# Altium PCB foxbms2-master.PcbDoc (part 9 of 11)
Units mm, origin at the board's own origin, x right, y up, seen from the top; angles counter-clockwise.
Board outline 200.02 x 144.34 mm, 8 copper layers (Top, Int1 (Sig), Int2 (Gnd), Int3 (Sig), Int4 (Sig), Int5 (Pwr), Int6 (Sig), Bottom), stack 1.636 mm thick; 806 components, 624 nets, 2842 pads, 2610 vias.
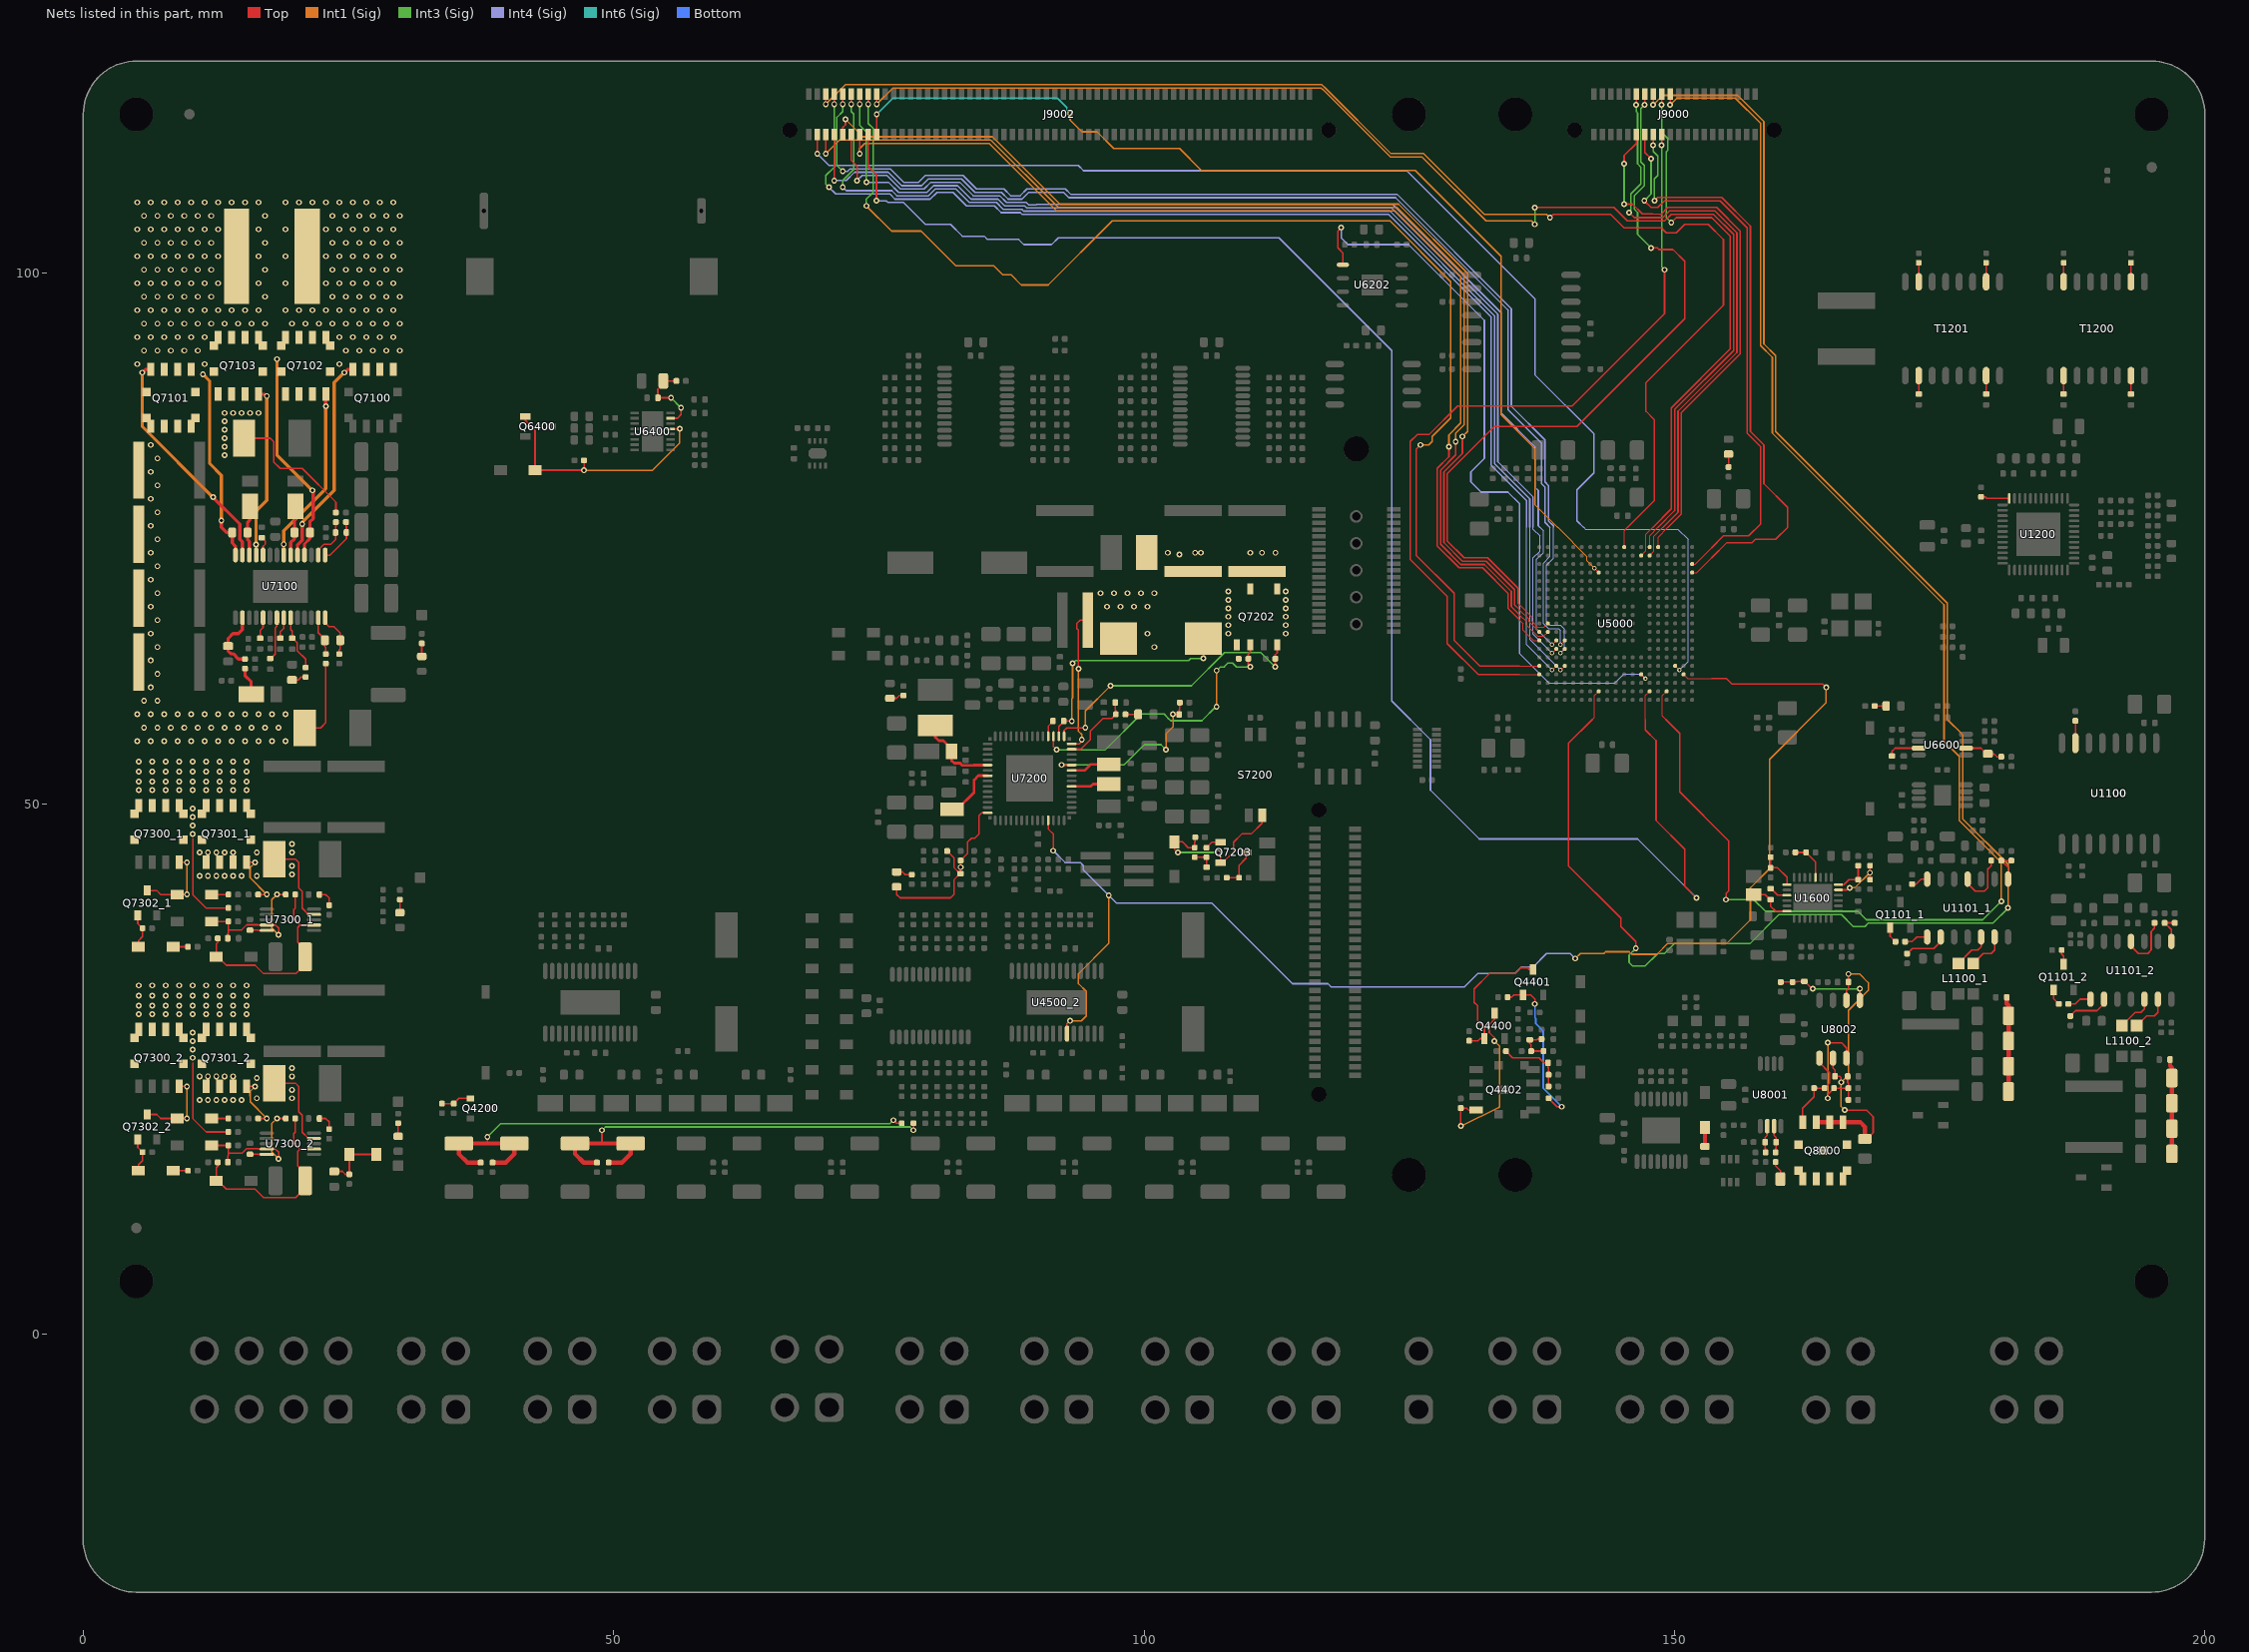
[diagram p15: the nets of this part, all layers, seen from the top]

## Via types
v1: diameter 0.55, hole 0.3, Top to Bottom, 1560 vias
v2: diameter 0.55, hole 0.3, Top to Bottom, tented both sides, 810 vias
v3: diameter 0.45, hole 0.2, Top to Bottom, tented both sides, 169 vias
v4: diameter 0.45, hole 0.2, Top to Bottom, 25 vias
v5: diameter 0.5, hole 0.2, Top to Bottom, 20 vias
v6: diameter 0.75, hole 0.5, Top to Bottom, tented both sides, 17 vias
v7: diameter 0.75, hole 0.5, Top to Bottom, 9 vias

## Nets (pads, with @x,y where several pads share a name; then routed paths per layer and width w, separated by ;. In a path a pad name is that pad's centre, name@x,y a point inside that pad or via, vN(x,y) a via of type N, cw(c..) or ccw(c..) an arc to the next point about the centre after c; other vN are vias at no path point) (continued)
MCU_SPI2.SOMI_1: U4500_2.9 U5000.D2 U7200.25 | length 132.3
  Top w0.102: U5000.D2@150.862,62.192 151.262,61.793 153.511,61.793
  Top w0.152: U7200.25@90.967,48.425 90.967,47.621 91.44,47.149 v2(91.44,45.561) ; U4500_2.9@92.732,28.324 92.732,29.232 v2(93.027,29.527) ; 153.511,61.793 154.901,61.793 155.416,61.277 163.989,61.277 v1(164.306,60.96)
  Int1 (Sig) w0.152: v2(93.027,29.527) 94.082,29.527 94.558,30.004 94.558,32.283 93.821,33.02 93.821,33.972 96.679,36.83 v1(96.679,41.353) ; v1(140.653,35.401) 141.129,35.877 143.351,35.877 143.51,36.036 145.732,36.036 145.969,35.799 148.353,35.799 149.384,36.83 154.94,36.83 157.162,39.052 157.162,42.069 158.961,43.867 158.961,54.186 164.306,59.531 v1(164.306,60.96)
  Int4 (Sig) w0.152: v2(91.44,45.561) 92.551,44.45 93.98,44.45 94.286,44.144 94.286,43.746 v1(96.679,41.353) 97.392,40.64 106.362,40.64 113.982,33.02 117.347,33.02 117.665,32.703 130.175,32.703 131.445,33.972 134.938,33.972 135.572,34.608 136.684,34.608 137.954,35.877 140.176,35.877 v1(140.653,35.401)
MCU_SPI3.\CS4_1: J9002.4 U5000.E3 | length 123.5
  Top w0.102: U5000.E3@150.063,62.993 v3(150.463,62.593)
  Top w0.152: v1(69.193,111.284) 69.2,111.291 J9002.4@69.2,113.1
  Int4 (Sig) w0.102: 141.446,76.041 141.605,75.882 150.336,75.882 151.289,74.93 151.289,63.419 v3(150.463,62.593)
  Int4 (Sig) w0.152: v1(69.193,111.284) 70.304,110.172 93.802,110.172 94.297,109.677 124.76,109.677 136.843,97.595 136.843,90.433 142.399,84.877 142.399,81.176 140.811,79.588 140.811,76.676 141.446,76.041
MCU_SPI3.\CS5_1: J9002.5 U5000.W9 | length 126.8
  Top w0.102: U5000.W9@145.263,74.192 145.263,75.73 145.574,76.041
  Top w0.152: v1(70,115.947) J9002.5@70,116.9 ; v1(138.271,105.251) 138.589,105.569 143.986,105.569 145.256,104.299 148.749,104.299 149.225,103.822 150.177,103.822 150.971,104.616 153.194,104.616 154.623,103.188 154.623,96.996 147.32,89.694 147.32,86.995 148.114,86.201 148.114,78.581 145.574,76.041
  Int1 (Sig) w0.152: v1(70,115.947) 71.845,117.792 116.749,117.792 116.959,117.583 cw(c116.681,117.157) 117.041,117.516 123.273,111.284 126.365,111.284 132.08,105.569 137.954,105.569 v1(138.271,105.251)
MCU_SPI3.\sCS6_1: U5000.D7 U6202.1 | length 70.9
  Top w0.102: U5000.D7@146.863,62.192 v3(147.262,61.793)
  Top w0.152: v1(118.586,104.299) 118.269,103.981 118.269,102.394 118.745,101.917 U6202.1@118.745,100.806
  Int4 (Sig) w0.102: 135.414,64.135 138.179,61.37 144.396,61.37 145.241,62.215 146.84,62.215 v3(147.262,61.793)
  Int4 (Sig) w0.152: v1(118.586,104.299) 118.586,103.346 119.221,102.711 124.936,102.711 132.08,95.567 132.08,82.55 130.81,81.28 130.81,80.328 131.762,79.375 134.302,79.375 135.414,78.264 135.414,64.135
MCU_SPI4.\CS0_1: J9000.14 U5000.U1 | length 54.5
  Top w0.102: U5000.U1@151.663,72.592 151.964,72.592 153.511,74.14
  Top w0.152: v1(147.161,106.839) 147.796,106.204 148.431,106.204 149.066,106.839 154.305,106.839 156.845,104.299 156.845,84.931 158.115,83.661 158.115,76.359 157.004,75.248 154.619,75.248 153.511,74.14 ; J9000.14@147.2,113.1 147.2,111.404 v1(147.796,110.807)
  Int3 (Sig) w0.152: v1(147.161,106.839) 147.796,107.474 v1(147.796,110.807)
MCU_SPI4.\CS1_1: J9000.15 U5000.B12 | length 165.2
  Top w0.102: 142.256,57.944 142.463,58.15 142.463,60.193 U5000.B12@142.863,60.593
  Top w0.152: 142.256,57.944 140.017,55.705 140.017,44.133 144.939,39.211 144.939,38.417 146.368,36.989 v1(146.368,36.354) ; v1(148,115.887) J9000.15@148,116.9
  Int3 (Sig) w0.152: v1(146.368,36.354) 145.732,35.719 145.732,35.014 146.059,34.688 147.242,34.688 148.431,35.877 149.076,35.877 150.028,36.83 157.153,36.83 159.852,39.529 165.735,39.529 166.846,38.417 167.957,38.417 168.275,38.735 180.022,38.735 v1(181.451,40.164)
  Int1 (Sig) w0.152: v1(148,115.887) 148.889,116.776 155.956,116.776 158.433,114.3 158.433,93.345 159.544,92.234 159.544,85.09 175.736,68.897 175.736,57.944 177.165,56.515 177.165,48.578 181.451,44.291 v1(181.451,40.164)
MCU_SPI4.\CS2_1: J9000.16 U5000.T1 | length 57.5
  Top w0.102: U5000.T1@151.663,71.792 152.12,71.792 153.511,73.184
  Top w0.152: v1(148,112.078) J9000.16@148,113.1 ; v1(148.114,106.839) 148.431,107.156 154.464,107.156 157.162,104.457 157.162,85.09 158.433,83.82 158.433,80.169 160.655,77.946 160.655,76.041 159.544,74.93 157.639,74.93 157.321,74.612 154.94,74.612 153.511,73.184
  Int3 (Sig) w0.152: v1(148,112.078) 148,111.497 148.431,111.066 148.431,109.221 148.114,108.904 v1(148.114,106.839)
MCU_SPI4.\CS3_1: J9000.17 U5000.V7 | length 52.7
  Top w0.102: U5000.V7@146.863,73.392 147.31,73.84 147.31,75.396 147.955,76.041
  Top w0.152: 147.955,76.041 149.701,77.787 149.701,87.312 155.257,92.869 155.257,103.505 153.511,105.251 150.177,105.251 v1(149.701,104.775) ; v1(148.8,115.887) J9000.17@148.8,116.9
  Int3 (Sig) w0.152: v1(148.8,115.887) 148.8,113.296 149.384,112.712 149.384,111.601 149.225,111.442 149.225,105.251 v1(149.701,104.775)
MCU_SPI4.\CS4_1: J9000.18 U5000.D19 | length 76.3
  Top w0.102: 135.414,62.192 U5000.D19@137.263,62.192
  Top w0.152: 135.414,62.192 131.483,62.192 128.588,65.087 128.588,69.532 125.095,73.025 125.095,84.138 125.749,84.792 126.861,84.792 129.559,87.491 140.354,87.491 149.066,96.203 v1(149.066,100.33) ; v1(148.8,112.078) J9000.18@148.8,113.1
  Int3 (Sig) w0.152: v1(148.8,112.078) 148.8,100.596 v1(149.066,100.33)
MCU_SPI4.\CS5_1: J9000.19 U5000.B4 | length 143.5
  Top w0.102: 149.185,57.944 148.862,58.266 148.862,60.192 U5000.B4@149.263,60.593
  Top w0.152: 149.185,57.944 150.495,56.634 150.495,51.117 155.099,46.514 155.099,41.751 154.862,41.514 v1(154.862,40.957) ; v1(149.6,115.887) J9000.19@149.6,116.9
  Int3 (Sig) w0.152: v1(154.862,40.957) 157.48,40.957 158.591,39.846 167.313,39.846 168.107,39.052 179.07,39.052 v1(180.816,40.799)
  Int1 (Sig) w0.152: v1(149.6,115.887) 150.235,116.522 155.734,116.522 158.115,114.141 158.115,93.186 159.226,92.075 159.226,84.931 175.419,68.739 175.419,55.88 176.847,54.451 176.847,48.419 180.816,44.45 v1(180.816,40.799)
MCU_SPI4.CLK_1: J9000.13 U5000.K18 | length 73.8
  Top w0.102: 135.414,68.739 136.554,67.599 136.554,67.203 137.117,66.64 137.71,66.64 U5000.K18@138.063,66.992
  Top w0.152: 135.414,68.739 135.255,68.897 135.255,70.326 132.398,73.184 130.175,73.184 128.588,74.771 128.588,81.121 133.032,85.566 140.811,85.566 150.971,95.726 150.971,101.124 149.86,102.235 148.548,102.235 148.39,102.394 v1(147.796,102.394) ; v1(147.2,115.887) J9000.13@147.2,116.9
  Int3 (Sig) w0.152: v1(147.2,115.887) 146.844,115.531 146.844,110.49 147.161,110.172 147.161,108.267 146.209,107.315 146.209,106.045 146.526,105.727 146.526,103.664 v1(147.796,102.394)
MCU_SPI4.SIMO_1: J9000.12 U5000.W5 | length 52.6
  Top w0.102: U5000.W5@148.462,74.192 148.462,75.12 149.384,76.041
  Top w0.152: v1(145.256,106.521) 146.05,106.521 146.975,105.596 147.956,105.596 148.622,105.569 148.749,105.569 148.793,105.613 149.384,106.204 153.987,106.204 156.21,103.981 156.21,92.402 150.654,86.846 150.654,77.311 149.384,76.041 ; v1(145.256,110.331) 145.256,111.109 146.4,112.253 J9000.12@146.4,113.1
  Int3 (Sig) w0.152: v1(145.256,106.521) v1(145.256,110.331)
MCU_SPI4.SOMI_1: J9000.11 U5000.V6 | length 57.1
  Top w0.102: U5000.V6@147.663,73.392 148.063,73.792 148.063,75.196 148.907,76.041
  Top w0.152: v1(145.732,105.727) 146.209,105.251 148.907,105.251 149.542,105.886 153.829,105.886 155.892,103.822 155.892,92.551 150.336,86.995 150.336,77.47 148.907,76.041 ; v1(146.4,115.887) J9000.11@146.4,116.9
  Int3 (Sig) w0.152: v1(145.732,105.727) 145.732,105.835 145.891,105.994 145.891,107.474 146.844,108.426 146.844,110.014 146.526,110.331 146.526,115.126 146.4,115.252 v1(146.4,115.887)
MCU_SPI5.\CS0_1: J9002.15 U5000.E19 | length 120.2
  Top w0.102: 135.414,62.993 U5000.E19@137.263,62.993
  Top w0.152: v1(74,115.947) J9002.15@74,116.9 ; v1(126.047,83.82) 125.676,83.449 ccw(c128.16,83.231) 125.666,83.234 125.666,73.406 129.222,69.85 129.222,65.405 131.635,62.993 135.414,62.993
  Int3 (Sig) w0.152: v1(73.819,106.362) 73.819,106.998 74.454,107.632 74.454,113.665 74,114.119 v1(74,115.947)
  Int1 (Sig) w0.152: v1(73.819,106.362) 76.2,103.981 78.989,103.981 82.242,100.728 85.803,100.728 86.677,99.854 87.471,99.854 88.424,98.901 90.964,98.901 96.996,104.934 123.19,104.934 128.905,99.219 128.905,86.36 127.159,84.614 127.159,84.138 126.841,83.82 v1(126.047,83.82)
MCU_SPI5.\CS1_1: J9002.16 U5000.B6 | length 155.4
  Top w0.102: 147.262,57.944 147.262,60.192 U5000.B6@147.663,60.593
  Top w0.152: J9002.16@74,113.1 74,110.072 74.771,109.301 v1(74.771,106.839) ; 147.262,57.944 147.262,56.954 148.273,55.944 148.273,48.419 150.971,45.72 150.971,42.227 v1(152.082,41.116)
  Int4 (Sig) w0.152: v1(74.771,106.839) 75.698,106.839 75.857,106.68 77.311,106.68 79.375,104.616 81.756,104.616 82.867,103.505 84.931,103.505 85.249,103.188 88.184,103.188 88.661,102.711 91.281,102.711 91.916,103.346 112.712,103.346 123.349,92.71 123.349,67.797 123.349,59.69 127,56.039 127,51.276 131.604,46.672 146.526,46.672 v1(152.082,41.116)
MCU_SPI5.\CS2_1: J9002.17 U5000.W6 | length 123.6
  Top w0.102: U5000.W6@147.663,74.192 147.663,75.273 148.431,76.041
  Top w0.152: v1(74.8,115.947) J9002.17@74.8,116.9 ; v1(136.843,106.204) 144.304,106.204 145.574,104.934 149.066,104.934 149.701,105.569 153.67,105.569 155.575,103.664 155.575,92.71 150.019,87.154 150.019,77.629 148.431,76.041
  Int3 (Sig) w0.152: v1(136.843,104.616) v1(136.843,106.204)
  Int1 (Sig) w0.152: v1(74.8,115.947) 76.327,117.475 116.681,117.475 116.756,117.4 cw(c116.681,117.157) 116.861,117.337 123.232,110.966 126.206,110.966 132.239,104.934 136.525,104.934 v1(136.843,104.616)
MCU_SPI5.\CS3_1: J9002.18 U5000.T12 | length 101.7
  Top w0.102: v3(142.463,72.192) U5000.T12@142.863,71.792
  Top w0.152: J9002.18@74.8,113.1 v1(74.8,114.995)
  Int1 (Sig) w0.102: 138.999,76.041 141.766,73.274 141.766,72.889 v3(142.463,72.192)
  Int1 (Sig) w0.152: v1(93.027,115.094) 93.027,114.459 94.139,113.347 95.567,113.347 97.155,111.76 103.346,111.76 105.41,109.696 125.571,109.696 133.667,101.6 133.667,86.677 136.843,83.502 136.843,78.198 138.999,76.041
  Int6 (Sig) w0.152: v1(74.8,114.995) 76.327,116.522 91.825,116.522 92.731,115.617 92.731,115.391 v1(93.027,115.094)
MCU_SPI5.CLK_1: J9002.14 U5000.H19 | length 105.2
  Top w0.102: 135.414,67.31 135.731,66.992 135.731,66.358 136.696,65.392 U5000.H19@137.263,65.392
  Top w0.152: v1(73.193,111.284) 73.2,111.291 J9002.14@73.2,113.1 ; v1(128.746,83.661) 128.746,82.709 127.635,81.597 127.635,74.295 129.699,72.231 131.921,72.231 134.302,69.85 134.302,68.421 135.414,67.31
  Int1 (Sig) w0.152: v1(73.193,111.284) 73.193,111.769 73.66,112.236 85.407,112.236 91.758,105.886 123.666,105.886 129.857,99.695 129.857,85.884 128.746,84.772 v1(128.746,83.661)
MCU_SPI5.SIMO0_1: J9002.10 U5000.J19 | length 105.9
  Top w0.102: 135.414,68.263 136.282,67.395 136.282,67.173 U5000.J19@137.263,66.192
  Top w0.152: J9002.10@71.6,113.1 71.6,113.752 71.85,114.002 v1(71.85,114.519) ; v1(130.016,84.614) 130.016,83.026 128.27,81.28 128.27,74.612 130.016,72.866 132.239,72.866 134.938,70.168 134.938,68.739 135.414,68.263
  Int1 (Sig) w0.152: v1(71.85,114.519) 73.497,112.871 85.725,112.871 92.075,106.521 123.984,106.521 130.493,100.013 130.493,85.09 v1(130.016,84.614)
MCU_SPI5.SIMO1_1: J9002.11 U5000.E16 | length 112.9
  Top w0.102: v3(139.263,62.593) U5000.E16@139.663,62.993
  Top w0.152: v1(72.4,115.947) J9002.11@72.4,116.9
  Int3 (Sig) w0.152: v1(71.596,108.109) 71.596,108.744 72.642,109.79 72.642,111.214 cw(c73.193,111.284) 72.642,111.353 72.642,115.003 72.4,115.245 v1(72.4,115.947)
  Int4 (Sig) w0.102: 136.366,76.041 136.366,65.489 v3(139.263,62.593)
  Int4 (Sig) w0.152: v1(71.596,108.109) 71.914,107.791 76.228,107.791 76.704,107.315 79.684,107.315 80.319,107.95 82.255,107.95 83.525,106.68 86.077,106.68 86.733,106.024 88.486,106.024 88.643,105.867 123.182,105.867 133.032,96.017 133.032,82.074 136.366,78.74 136.366,76.041
MCU_SPI5.SIMO2_1: J9002.12 U5000.H17 | length 105.8
  Top w0.102: v3(138.463,64.992) U5000.H17@138.863,65.392
  Top w0.152: J9002.12@72.4,113.1 72.4,110.659 72.943,110.116 v1(72.943,108.744)
  Int4 (Sig) w0.102: 137.319,76.041 137.636,75.724 137.636,73.66 137.001,73.025 137.001,66.454 v3(138.463,64.992)
  Int4 (Sig) w0.152: v1(72.943,108.744) 73.419,109.22 75.758,109.22 77.028,107.95 79.275,107.95 79.91,108.585 82.622,108.585 83.892,107.315 86.394,107.315 87.029,106.68 88.884,106.68 89.121,106.443 89.821,106.443 89.88,106.502 123.445,106.502 133.667,96.28 133.667,86.836 136.843,83.661 136.843,79.851 137.16,79.534 137.16,76.2 137.319,76.041
MCU_SPI5.SIMO3_1: J9002.13 U5000.G17 | length 108.9
  Top w0.102: v3(138.463,64.193) U5000.G17@138.863,64.592
  Top w0.152: v1(73.2,115.947) J9002.13@73.2,116.9
  Int3 (Sig) w0.152: v1(73.2,115.947) 73.2,113.966 73.819,113.348 v1(73.819,108.585)
  Int4 (Sig) w0.102: 136.684,76.041 136.684,75.882 137.319,75.248 137.319,73.819 136.684,73.184 136.684,65.971 v3(138.463,64.193)
  Int4 (Sig) w0.152: v1(73.819,108.585) 75.91,108.585 76.863,107.632 79.525,107.632 80.16,108.267 82.414,108.267 83.684,106.998 86.236,106.998 86.871,106.362 88.741,106.362 88.919,106.184 123.314,106.184 133.35,96.148 133.35,82.242 136.684,78.908 136.684,76.041
MCU_SPI5.SOMI0_1: J9002.6 U5000.J18 | length 109
  Top w0.102: 135.414,67.786 136.049,67.151 136.049,66.834 137.076,65.807 137.677,65.807 U5000.J18@138.063,66.192
  Top w0.152: v1(69.993,111.284) 70,111.291 J9002.6@70,113.1 ; v1(129.381,84.138) 129.381,82.867 127.953,81.439 127.953,74.454 129.857,72.549 132.08,72.549 134.62,70.009 134.62,68.58 135.414,67.786
  Int1 (Sig) w0.152: v1(69.993,111.284) 71.263,112.554 85.566,112.554 91.916,106.204 123.825,106.204 130.175,99.854 130.175,85.725 129.381,84.931 v1(129.381,84.138)
MCU_SPI5.SOMI1_1: J9002.7 U5000.E17 | length 113.5
  Top w0.102: v3(138.463,62.593) U5000.E17@138.863,62.993
  Top w0.152: v1(70.8,115.947) J9002.7@70.8,116.9
  Int3 (Sig) w0.152: v1(70.304,108.109) 70.009,108.404 70.009,109.22 70.793,110.004 70.793,115.94 v1(70.8,115.947)
  Int4 (Sig) w0.102: 136.049,76.041 136.049,65.006 v3(138.463,62.593)
  Int4 (Sig) w0.152: v1(70.304,108.109) 70.939,107.474 76.041,107.474 76.517,106.998 79.842,106.998 80.477,107.632 82.005,107.632 83.275,106.362 85.897,106.362 86.532,105.727 88.325,105.727 88.503,105.549 123.051,105.549 132.715,95.885 132.715,81.915 136.049,78.581 136.049,76.041
MCU_SPI5.SOMI2_1: J9002.8 U5000.H16 | length 109.9
  Top w0.102: v3(139.263,64.992) U5000.H16@139.663,65.392
  Top w0.152: v1(70.793,108.744) 70.8,108.751 J9002.8@70.8,113.1
  Int4 (Sig) w0.102: 138.271,76.041 138.271,73.31 137.636,72.675 137.636,66.992 138.112,66.516 139.065,66.516 139.263,66.319 v3(139.263,64.992)
  Int4 (Sig) w0.152: v1(70.793,108.744) 71.914,108.744 72.707,109.537 75.882,109.537 77.152,108.267 79.025,108.267 79.66,108.902 82.799,108.902 84.069,107.632 86.553,107.632 87.188,106.998 88.486,106.998 89.121,107.632 92.408,107.632 92.904,107.137 123.708,107.137 134.302,96.543 134.302,87.154 137.477,83.979 137.477,80.169 137.795,79.851 137.795,76.517 138.271,76.041
MCU_SPI5.SOMI3_1: J9002.9 U5000.G16 | length 113.8
  Top w0.102: v3(139.263,64.193) U5000.G16@139.663,64.592
  Top w0.152: v1(71.6,115.947) J9002.9@71.6,116.9
  Int3 (Sig) w0.152: v1(71.596,109.618) 71.047,110.168 71.047,114.706 71.6,115.26 v1(71.6,115.947)
  Int4 (Sig) w0.102: 138.589,76.041 138.589,73.119 137.954,72.484 137.954,67.151 138.271,66.834 139.263,66.834 139.64,66.456 139.64,64.57 v3(139.263,64.193)
  Int4 (Sig) w0.152: v1(71.596,109.618) 72.061,109.618 72.298,109.855 76.075,109.855 77.345,108.585 78.74,108.585 79.375,109.22 82.94,109.22 84.21,107.95 86.793,107.95 87.428,107.315 88.325,107.315 88.96,107.95 92.586,107.95 93.082,107.454 123.84,107.454 134.62,96.674 134.62,87.471 137.795,84.296 137.795,80.328 138.112,80.01 138.112,76.676 138.589,76.2 138.589,76.041
NetC1106_1_2: C1106_1.2 R1110_1.1 R1111_1.1 R1112_1.1 R1113_1.1 | length 9
  Top w0.406: C1106_1.2@181.326,31.75 181.326,31.152 181.498,30.98 R1110_1.1@181.498,30.004 R1111_1.1@181.498,27.622 R1112_1.1@181.498,25.241 R1113_1.1@181.498,22.86
NetC1106_2_2: C1106_2.2 R1110_2.1 R1111_2.1 R1112_2.1 R1113_2.1 | length 9
  Top w0.406: C1106_2.2@196.725,25.876 196.725,25.278 196.896,25.107 R1110_2.1@196.896,24.13 R1111_2.1@196.896,21.749 R1112_2.1@196.896,19.367 R1113_2.1@196.896,16.986
NetC1220_2: C1220.2 T1200.2 | length 1.7
  Top w0.152: C1220.2@186.69,88.616 T1200.2@186.69,90.349
NetC1221_2: C1221.2 T1200.7 | length 1.7
  Top w0.152: C1221.2@193.04,88.616 T1200.7@193.04,90.349
NetC1222_2: C1222.2 T1201.2 | length 1.7
  Top w0.152: C1222.2@173.037,88.616 T1201.2@173.037,90.349
NetC1223_2: C1223.2 T1201.7 | length 1.7
  Top w0.152: C1223.2@179.387,88.616 T1201.7@179.387,90.349
NetC1604_1: C1604.1 U1600.11 | length 1.8
  Top w0.152: C1604.1@159.067,41.978 159.117,41.978 159.729,41.366 U1600.11@160.611,41.366
NetC1604_2: C1604.2 L1600.1 U1600.14 | length 4.2
  Top w0.152: L1600.1@157.48,41.434 158.541,41.434 159.018,40.957 C1604.2@159.067,40.957 159.067,40.322 159.524,39.866 U1600.14@160.611,39.866
NetC4400_2: C4400.2 R4401.1 R4404.1 R4405.2 | length 6.7
  Top w0.152: R4404.1@134.117,26.67 134.752,26.035 137.241,26.035 137.717,25.559 C4400.2@138.079,25.559 138.079,25.147 138.139,25.087 R4405.2@138.139,24.447 138.139,24.071 R4401.1@138.139,23.336
NetC4401_2: C4401.2 R4403.1 R4406.1 R4407.2 | length 3.4
  Top w0.152: R4403.1@137.477,27.808 137.101,27.808 137.041,27.747 C4401.2@136.366,27.747 136.366,27.386 136.499,27.253 R4406.1@136.499,26.67 R4407.2@137.662,26.67
NetC6400_2: C6400.2 C6402.2 R6407.1 U6400.15 | length 7.4
  Top w0.152: U6400.15@55.348,86.34 56.019,86.34 56.356,86.677 v2(56.356,87.312) ; v2(55.404,88.265) C6400.2@54.168,88.265 54.168,89.062 54.683,89.577 C6402.2@54.683,89.852 R6407.1@55.906,89.852
  Int3 (Sig) w0.152: v2(55.404,88.265) v2(56.356,87.312)
NetC6601_2: C6601.2 U6600.3 | length 3.1
  Top w0.152: C6601.2@170.498,54.485 170.498,54.927 170.807,55.237 U6600.3@173.035,55.237
NetC6603_2: C6603.2 R6604.2 U6600.6 | length 3.7
  Top w0.152: U6600.6@177.485,55.237 178.909,55.237 179.446,54.7 C6603.2@179.546,54.7 180.123,54.7 180.398,54.425 R6604.2@180.816,54.425
NetC7000_2: C7000.2 D7004.2 D7006.2 R7005.1 | length 6
  Top w0.152: C7000.2@23.654,15.33 24.431,15.33 24.706,15.055 R7005.1@25.082,15.055 D7006.2@25.082,16.939 D7004.2@27.622,16.939
NetC7105_2: C7105.2 C7106.2 C7107.2 C7108.2 Q7101.D R7100.2 R7102.2 | length 7.8
  Top w0.152: R7100.2@20.87,57.15 22.384,57.15 22.86,57.626 R7102.2@22.86,63.209
  other v1: 5.08,55.88 6.35,55.88 7.62,55.88 8.89,55.88 10.16,55.88 11.43,55.88 12.7,55.88 13.97,55.88 15.24,55.88 16.51,55.88 17.78,55.88 19.05,55.88 5.715,57.15 6.985,57.15 8.255,57.15 9.525,57.15 10.795,57.15 12.065,57.15 13.335,57.15 14.605,57.15 15.875,57.15 17.145,57.15 18.415,57.15 5.08,58.42 6.35,58.42 7.62,58.42 8.89,58.42 10.16,58.42 11.43,58.42 12.7,58.42 13.97,58.42 15.24,58.42 16.51,58.42 17.78,58.42 19.05,58.42 5.715,59.69 6.985,59.69 6.35,60.96 6.985,62.23 6.35,63.5 6.985,64.77 6.35,66.04 6.985,67.31 6.35,68.58 6.985,69.85 6.35,71.12 6.985,72.39 6.35,73.66 6.985,74.93 6.35,76.2 6.985,77.47 6.35,78.74 6.985,80.01 6.35,81.28 6.985,82.55 6.35,83.82
NetC7109_2: C7109.2 R7104.1 U7100.2 | length 5.9